# Altium PCB 2-quilter-output.PcbDoc (part 20 of 26) (continued)
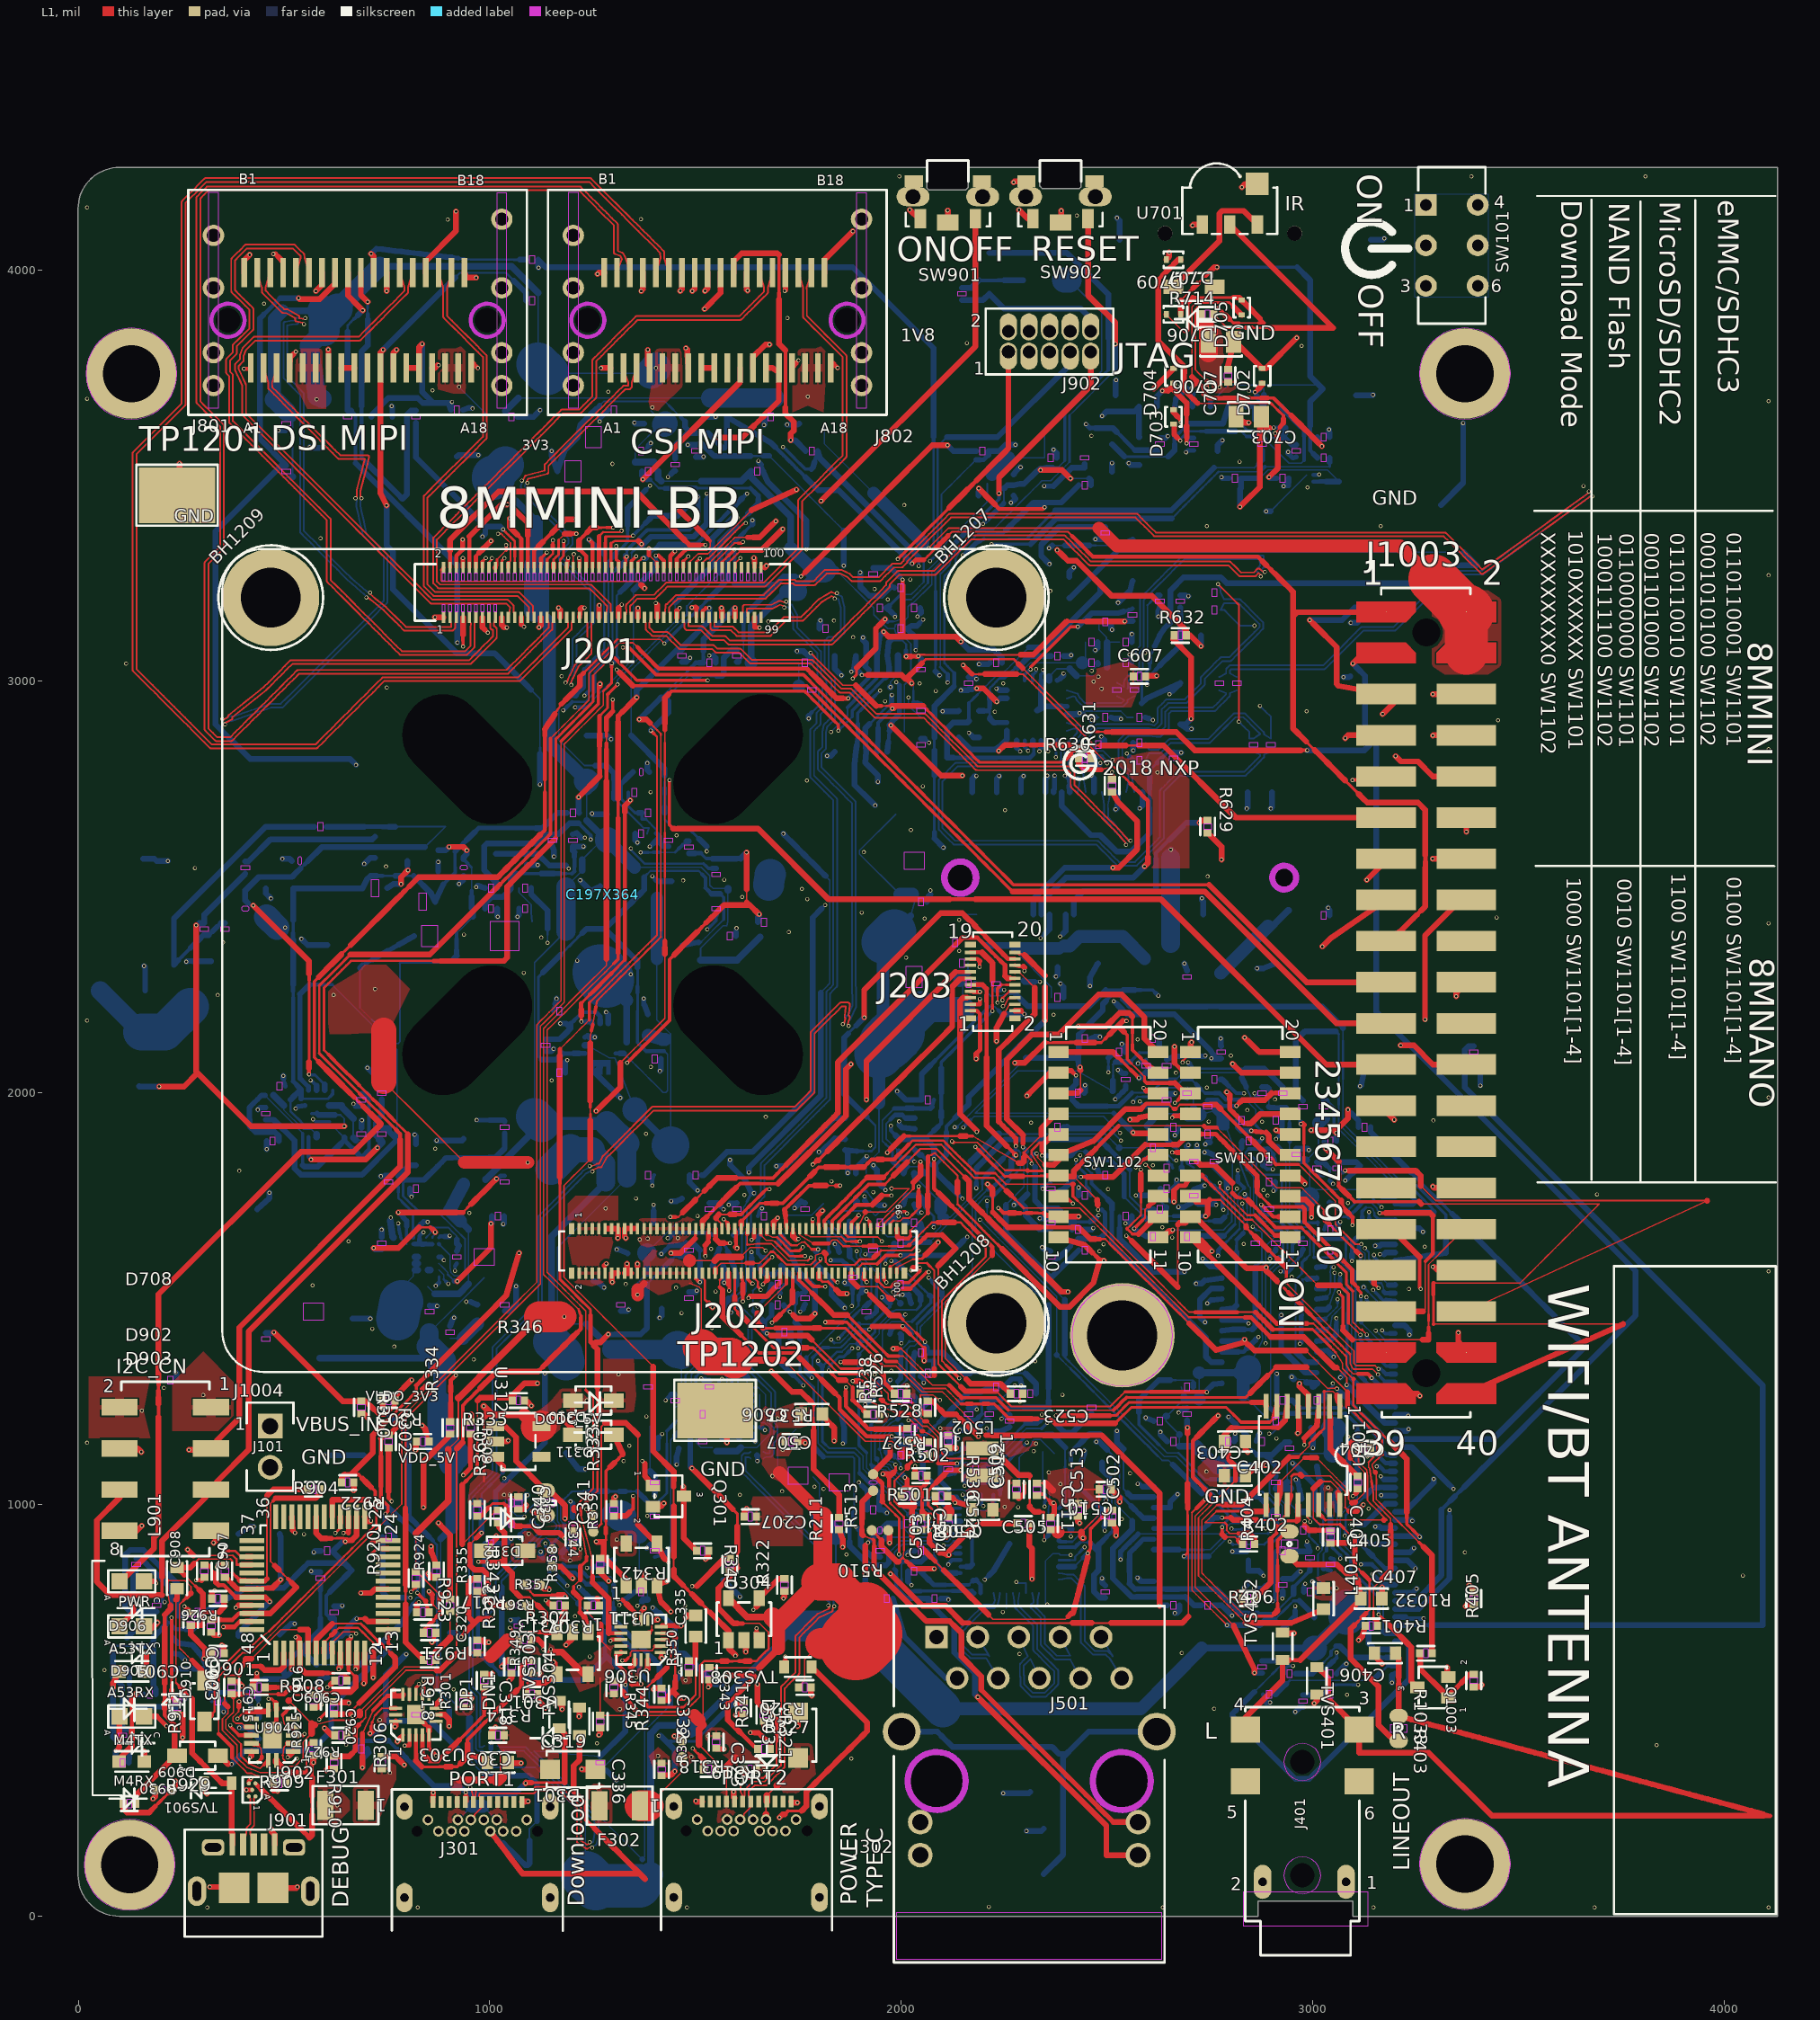
[diagram p0: L1 view]
## Nets (pads, with @x,y where several pads share a name; then routed paths per layer and width w, separated by ;. In a path a pad name is that pad's centre, name@x,y a point inside that pad or via, vN(x,y) a via of type N, cw(c..) or ccw(c..) an arc to the next point about the centre after c; other vN are vias at no path point) (continued)
  L3 w5.87: v1(1851.56,1774.44) 1860.68,1783.57
  L3 w7.92: 2783.75,1824.97 2796.41,1824.97
  L3 w10.99: 2581.98,1839.47 2596.32,1839.47 2610.67,1839.47 ; 2639.37,1839.47 2653.72,1839.47 ; 2675.62,1851.13 2684.34,1842.41 ; 2693.06,1833.69 2701.78,1824.97 2715.44,1824.97 2729.1,1824.97 2742.76,1824.97 2756.43,1824.97 2770.09,1824.97 2783.75,1824.97
  L3 w12.01: 2610.67,1839.47 2625.02,1839.47
  L3 w14.05: 2534.52,1806.36 2567.63,1839.47 2581.98,1839.47 ; 2625.02,1839.47 2639.37,1839.47 ; 2684.34,1842.41 2693.06,1833.69 ; 2900.11,1853.94 2941.9,1853.94 v1(2996.74,1908.77)
  L8 w7.92: 3057.72,1893.15 v1(3057.72,1902.56)
  L8 w8.94: v1(3086.09,1958.91) 3094.44,1950.56
  L8 w14.05: 3057.72,1893.15 3057.72,1883.74 R1016.2@3058.39,1883.07 ; 3094.44,1950.56 3111.81,1933.19 R1009.2@3111.81,1916.27
SAI5_RXD0: J202.67 R1010.2 R1015.2 | length 2182.8
  L1 w7.92: 1744.37,1644.58 v1(1750.71,1644.58)
  L1 w9.96: J202.67@1737.5,1658.35 J202.67@1737.49,1669.64
  L1 w14.05: J202.67@1737.5,1658.35 1737.5,1651.45 1744.37,1644.58
  L3 w3.5: 1756.49,1644.58 1765.58,1635.49 1774.67,1626.4 1783.76,1617.3 1792.85,1608.21 1792.85,1595.68 1792.85,1583.14 1792.85,1570.61 ; 1852.64,1501.15 1861.76,1501.15 1876.17,1501.15 1890.58,1501.15
  L3 w4.85: 1890.62,1501.16 1897.28,1494.49 1903.95,1487.82 ; 2178.84,1565.35 2193.91,1565.35 2208.97,1565.35 2224.04,1565.35 2239.11,1565.35 2254.17,1565.35 2269.24,1565.35 2284.31,1565.35
  L3 w5.87: 2101.31,1487.82 2112.38,1498.9 2123.46,1509.97 2134.53,1521.05 2145.61,1532.12 2156.69,1543.2 2167.76,1554.27 2178.84,1565.35 ; 2284.31,1565.35 2293.84,1555.82 2303.37,1546.3 2318.65,1546.3 2333.94,1546.3 2349.23,1546.3 2364.52,1546.3 2379.81,1546.3 2395.09,1546.3 2410.38,1546.3 2425.67,1546.3 2440.96,1546.3 2456.25,1546.3 2471.54,1546.3 2486.82,1546.3 2502.11,1546.3 2517.4,1546.3 2532.69,1546.3 2547.98,1546.3 2563.26,1546.3 2578.55,1546.3 2593.84,1546.3 2604.45,1535.69 2615.06,1525.08 2625.67,1514.47 2636.28,1503.86 2646.89,1493.25 2657.5,1482.64 2668.11,1472.03 2678.72,1461.42
  L3 w7.92: 1792.85,1570.61 1802.08,1561.38 ; 1820.53,1542.94 1829.75,1533.71 ; 1903.95,1487.82 1919.13,1487.82 1934.31,1487.82 1949.5,1487.82 1964.68,1487.82 1979.86,1487.82 1995.04,1487.82 2010.22,1487.82 2025.4,1487.82
  L3 w8.94: 2882.73,1403.97 2882.73,1414.06
  L3 w9.96: 1811.3,1552.16 1820.53,1542.94 ; 2882.73,1403.97 v1@2882.82,1393.34
  L3 w10.99: 1829.75,1533.71 1838.97,1524.49
  L3 w12.01: 1846.35,1507.44 1852.64,1501.15 ; 2025.4,1487.82 2040.58,1487.82
  L3 w13.03: 2882.73,1414.06 2882.73,1424.15
  L3 w14.05: v1(1750.71,1644.58) 1756.49,1644.58 ; 1802.08,1561.38 1811.3,1552.16 ; 1838.97,1524.49 1846.35,1507.44 ; 2040.58,1487.82 2055.76,1487.82 2070.94,1487.82 2086.13,1487.82 2101.31,1487.82 ; 2678.73,1461.41 2845.46,1461.41 2882.73,1424.15 ; v1@2882.82,1393.34 2890.4,1384.66 ; v1(2886.58,1390.9) 2886.58,1388.49 2890.4,1384.66 ; v1(2913.08,1316.71) 2906.55,1323.23 2890.4,1384.66
  L8 w3.5: 2864.63,1721.02 2868.97,1708.86 2873.32,1696.7 ; 2864.63,1721.03 2864.63,1734.54 2864.63,1748.05 2864.63,1761.57 2864.63,1775.08 2864.63,1788.59 2864.63,1802.11 ; 2877.53,1691.87 2881.94,1687.46 2894.69,1687.46 2907.51,1687.46 2920.32,1687.46 ; v1(2886.58,1390.9) 2886.58,1406.21 2886.58,1421.52 2886.58,1436.83 2886.58,1452.14 2886.58,1467.45 2886.58,1482.76 2886.58,1498.08 2886.58,1513.39 2886.58,1528.7 2886.58,1544.01 2886.58,1559.32 2896.02,1568.76 2896.11,1568.85 2896.11,1569.03 2904.16,1577.08 2912.21,1585.13 2918.96,1591.89 2927.1,1591.89
  L8 w3.83: 2837.31,1855.12 2837.31,1844.64 2844.95,1837.01 2852.58,1829.37 ; 2877.53,1691.87 2877.53,1692.49
  L8 w4.85: 2837.31,1855.12 2845.74,1863.55 ; 2873.32,1696.7 2877.53,1692.49 ; 2927.1,1591.89 2927.83,1591.89 2933.65,1597.72 2939.48,1603.55 2939.48,1616.5 2939.48,1629.45 2939.48,1642.4 ; 2939.48,1655.35 2939.48,1668.3
  L8 w5.87: 2852.58,1829.37 2852.58,1814.15 2858.6,1808.13 2864.63,1802.11 ; 2939.48,1642.4 2939.48,1655.35
  L8 w7.92: 2920.32,1687.46 2929.9,1677.88 2939.48,1668.3
  L8 w8.94: 2845.74,1863.55 2860.69,1863.55 2875.64,1863.55 ; 2904.04,1850.09 R1015.2@2906.57,1841.68
  L8 w10.99: 2875.64,1863.55 2890.58,1863.55 ; R1015.2@2906.57,1841.68 R1015.2@2909.09,1833.26
  L8 w14.05: 2890.58,1863.55 2904.04,1850.09 ; R1010.2@2912.75,1252.21 2913.08,1258.68 2913.08,1298.6 v1(2913.08,1316.71)
SAI5_RXD1: J202.69 R1011.2 R1018.1 | length 1886.3
  L1 w3.5: J202.69@1753.24,1669.64 1753.25,1655.09 1764.21,1648.17 1775.18,1641.25 ; 1824.87,1633.76 1833.54,1642.42 1844.09,1642.42 1851.7,1634.81 1859.32,1627.19
  L1 w3.83: 1775.18,1641.25 1787.02,1633.77 ; 1875.08,1627.19 1890.85,1627.19 1906.61,1627.19 ; 1938.14,1627.19 1953.91,1627.19 1969.67,1627.19 ; 2109.87,1337.85 2099.43,1348.29 2099.43,1362.98 2099.43,1377.67 2099.43,1392.37 2099.43,1407.06 2099.43,1421.75 2099.43,1436.44 2099.43,1451.14 2099.43,1465.83 2099.43,1480.52 2099.43,1495.21 2110.04,1505.82
  L1 w4.85: 1969.67,1627.19 1985.44,1627.19 2001.2,1627.19 2016.97,1627.19 2020.08,1630.31 2031.04,1641.26 ; 2042.04,1652.26 2053.04,1663.26 2064.04,1674.26 2075.04,1685.26 ; 2110.04,1505.82 2120.65,1516.44 2131.26,1527.05 2141.87,1537.66 2152.48,1548.27 2163.1,1558.88 2173.71,1569.49 2184.32,1580.1 2194.93,1590.71 2205.54,1601.33 2205.78,1601.57 2205.78,1612.3
  L1 w5.87: 1859.32,1627.19 1875.08,1627.19 ; 2031.04,1641.26 2042.04,1652.26 ; 2075.04,1685.26 2088.74,1685.26 ; 2129.85,1685.26 2143.55,1685.26 2153.93,1674.89 2164.3,1664.51 2174.67,1654.14 2185.04,1643.77 2195.41,1633.4 2205.78,1623.03 2205.78,1612.3
  L1 w7.92: 1906.61,1627.19 1922.38,1627.19 ; 2109.87,1337.85 2120.31,1327.41 2130.74,1316.97 v1(2141.19,1306.52)
  L1 w9.96: 1787.03,1633.76 1799.43,1633.76 1812.15,1633.76 1824.87,1633.76
  L1 w12.01: 2088.74,1685.26 2102.44,1685.26
  L1 w14.05: 1922.38,1627.19 1938.14,1627.19 ; 2102.44,1685.26 2116.15,1685.26 2129.85,1685.26
  L6 w3.83: 2193.36,1262.25 2204.24,1251.37 2215.13,1240.48 2226.02,1229.6 2236.9,1218.71 2245.2,1218.71 2253.5,1218.71
  L6 w4.85: 2185.46,1262.25 2193.36,1262.25
  L6 w5.87: 2449.69,1142.37 2460.77,1131.29 ; 2505.08,1086.98 2516.16,1075.9
  L6 w6.9: 2307.68,1164.53 2322.66,1164.53 2337.64,1164.53 2352.62,1164.53 2367.61,1164.53 2382.59,1164.53 2397.57,1164.53 2412.55,1164.53 2427.53,1164.53 2438.61,1153.45 2449.69,1142.37 ; 2460.77,1131.29 2471.84,1120.22 2482.92,1109.14 2494,1098.06 2505.08,1086.98
  L6 w7.92: v1(2141.19,1306.52) 2152.25,1295.46 2163.32,1284.39 2174.39,1273.32 2185.45,1262.26 ; 2516.16,1075.9 2527.23,1064.83
  L6 w9.96: 2253.5,1218.71 2264.33,1207.87 2275.17,1197.04 2286,1186.2 2296.84,1175.36 2307.68,1164.53 ; 2527.23,1064.83 2538.31,1053.75 2549.39,1042.67 2560.47,1031.59 2571.55,1020.51 2582.62,1009.44 2593.7,998.36 2604.78,987.28 2615.86,976.2 2626.94,965.12 2638.01,954.05
  L6 w14.05: 2638.01,954.05 2649.09,942.97 2660.17,931.89 2671.25,920.81 2682.33,909.73 v1(2799.15,909.73)
  L8 w3.83: 2806.61,902.28 2821.86,902.28 2837.11,902.28 2852.36,902.28 2867.61,902.28 2882.86,902.28
  L8 w5.87: 2882.86,902.28 2892.92,912.34 2902.97,922.39 2913.03,932.45 2913.03,942.77
  L8 w7.92: v1(2799.15,909.73) 2806.61,902.28
  L8 w12.01: 2913.03,942.77 R1011.2@2913.03,953.08
  L8 w14.05: R1011.2@2910.92,955.22 R1011.2@2913.03,953.08
SAI5_RXD2: J202.71 R1012.2 R1014.2 | length 3296.5
  L1 w3.5: 1768.98,1655.94 1777.68,1650.96 1779.37,1650 1791.32,1650 1803.28,1650 1816.15,1650 1829.02,1650 1841.89,1650 1854.76,1650
  L1 w4.85: 1854.76,1650 1860.39,1644.38 ; 1866.01,1638.76 1877.34,1638.76
  L1 w5.87: 1768.98,1655.94 J202.71@1768.98,1669.64 ; 1860.39,1644.38 1866.01,1638.76
  L1 w6.9: 1877.34,1638.76 1888.67,1638.76
  L1 w7.92: 1888.67,1638.76 v1(1900.01,1638.75)
  L3 w3.5: 3050.41,1308.64 3061.4,1297.66 3072.38,1286.67 3083.37,1275.69 ; 3138.29,1220.76 3149.28,1209.78 3160.26,1198.79 3171.25,1187.81 3182.23,1176.83 3193.22,1165.84 3204.2,1154.86 3215.19,1143.87 3226.17,1132.89 3237.16,1121.9 3248.14,1110.92 3259.13,1099.93
  L3 w3.83: 1995.74,1623.66 2005.2,1614.19 2014.67,1604.72 2024.13,1595.26 2039.48,1595.26 2054.82,1595.26 2070.16,1595.26 2085.5,1595.26 2100.85,1595.26 2116.19,1595.26 2131.53,1595.26 2146.87,1595.26 2162.21,1595.26 2177.56,1595.26 2192.9,1595.26 2208.24,1595.26 2223.58,1595.26 2238.93,1595.26 2254.27,1595.26 2269.61,1595.26 2284.95,1595.26 2300.29,1595.26 2308.04,1587.51 ; 2605.53,1579.77 2616.27,1569.03 2627,1558.29 2637.74,1547.56 2648.47,1536.82 2659.21,1526.09 2669.95,1515.35 2685.12,1515.35 ; 2912.75,1515.35 2927.92,1515.35 2943.1,1515.35 ; 3130.59,830.54 3141.34,841.29 ; 3216.59,916.54 3227.34,927.29 3238.09,938.04 ; 3248.84,948.79 3259.59,959.54
  L3 w4.85: 2897.57,1515.35 2912.75,1515.35 ; 3141.34,841.29 3152.09,852.04 ; 3238.09,938.04 3248.84,948.79
  L3 w5.87: 2308.04,1587.51 2315.78,1579.77 2331.03,1579.77 2346.28,1579.77 2361.53,1579.77 2376.78,1579.77 2392.03,1579.77 2407.28,1579.77 2422.53,1579.77 2437.78,1579.77 2453.03,1579.77 2468.28,1579.77 2483.53,1579.77 2498.78,1579.77 2514.03,1579.77 2529.28,1579.77 2544.53,1579.77 2559.78,1579.77 2575.03,1579.77 2590.28,1579.77 2605.53,1579.77
  L3 w6.9: 1955.42,1623.66 1968.86,1623.66 1982.3,1623.66 1995.74,1623.66
  L3 w7.92: v1(2982.29,806.8) 2992.67,796.42 ; 3051.38,1438.36 3067.03,1438.36 3082.68,1438.36 3098.33,1438.36 3113.98,1438.36 3129.62,1438.36 3145.27,1438.36 3160.92,1438.36
  L3 w8.94: v1(1900.01,1638.75) 1907.56,1631.2 ; 1941.99,1623.66 1955.42,1623.66 ; 2745.82,1515.35 2761,1515.35 2776.17,1515.35 2791.35,1515.35 2806.52,1515.35 2821.7,1515.35 2836.87,1515.35 2852.05,1515.35 2867.22,1515.35 2882.4,1515.35 2897.57,1515.35 ; 2943.1,1515.35 2954.1,1504.35 2965.09,1493.35 2976.09,1482.35 2987.09,1471.35 2998.09,1460.35 3009.09,1449.36 3020.09,1438.36 3035.74,1438.36 3051.38,1438.36 ; 3118.73,1352.02 3129.15,1362.44 3139.57,1372.86 3149.98,1383.28 3160.4,1393.7 3170.82,1404.12 3181.24,1414.54 ; 3259.59,959.54 3270.34,970.3 3281.09,981.05 3281.09,994.89 ; 3281.09,1050.27 3281.09,1064.12 3281.09,1077.96
  L3 w9.96: 2730.65,1515.35 2745.82,1515.35 ; 3083.37,1275.69 3094.35,1264.7 ; 3181.24,1414.54 3191.66,1424.96
  L3 w10.99: 2685.12,1515.35 2700.3,1515.35 2715.47,1515.35 2730.65,1515.35 ; 2992.67,796.42 3003.05,786.04 ; 3039.43,1319.63 3050.41,1308.64
  L3 w12.01: 1907.56,1631.2 1915.11,1623.66 1928.55,1623.66 ; 3119.83,819.79 3130.59,830.54 ; 3127.31,1231.75 3138.29,1220.76 ; 3160.92,1438.36 3173.64,1438.36
  L3 w13.03: 3173.64,1438.36 3186.37,1438.36 ; 3205.84,905.79 3216.59,916.54
  L3 w14.05: 1928.55,1623.66 1941.99,1623.66 ; 3003.05,786.04 3013.43,775.66 3023.8,765.28 3034.18,754.91 3044.57,754.9 3044.94,755.27 3055.32,755.27 ; 3039.43,1319.63 3028.45,1330.61 3017.46,1341.6 3108.31,1341.61 3118.73,1352.02 ; 3055.33,755.28 3066.08,766.03 3076.83,776.78 3087.58,787.53 3098.33,798.28 3109.08,809.04 3119.83,819.79 ; 3094.35,1264.7 3105.34,1253.72 3116.32,1242.73 3127.31,1231.75 ; 3152.09,852.04 3162.84,862.79 3173.59,873.54 3184.34,884.29 3195.09,895.04 3205.84,905.79 ; 3186.37,1438.36 3199.09,1438.36 3202.07,1435.38 ; 3191.66,1424.96 3202.08,1435.37 3202.08,1555.09 v1(3273.28,1626.29) ; 3259.13,1099.93 3270.11,1088.95 3281.09,1077.96 ; 3281.09,994.89 3281.09,1008.74 3281.09,1022.58 3281.09,1036.43 3281.09,1050.27
  L6 w14.05: v1(3079.67,1786.75) 3166.91,1786.75 3285.06,1668.6 3285.06,1638.07 v1(3273.28,1626.29)
  L8 w9.96: R1012.2@2979.11,795.49 2979.11,803.62 v1(2982.29,806.8)
  L8 w12.01: 3088.6,1795.68 3097.53,1804.61
  L8 w13.03: v1(3079.67,1786.75) 3088.6,1795.68
  L8 w14.05: R1012.2@2979.1,787.36 R1012.2@2979.11,795.49 ; R1014.2@3060.22,1831.42 3106.44,1831.42 3115.38,1822.47 3106.45,1813.54 3097.53,1804.61
SAI5_RXD3: J202.73 R1013.2 R1017.1 | length 3163.2
  L1 w7.92: v1@1784.74,1691.7 v1(1785.61,1692.56)
  L1 w8.94: J202.73@1784.73,1669.64 1784.74,1680.67 v1@1784.74,1691.7
  L3 w3.5: 1982.12,1651.61 1991.67,1642.06 2001.22,1632.51 2010.77,1622.96 2020.32,1613.41 2029.87,1603.86 2045.53,1603.86 2061.2,1603.86 2076.86,1603.86 2092.52,1603.86 2108.19,1603.86 2123.85,1603.86 2139.52,1603.86 2155.18,1603.86 2170.84,1603.86 2186.51,1603.86 2202.17,1603.86 2217.83,1603.86 2233.5,1603.86 2249.16,1603.86 2264.82,1603.86 2280.49,1603.86 2296.15,1603.86 2311.82,1603.86 2327.48,1603.86 2343.14,1603.86 2358.81,1603.86 2374.47,1603.86 2390.13,1603.86 2405.8,1603.86 2421.46,1603.86 2437.13,1603.86 2452.79,1603.86 2468.45,1603.86 2484.12,1603.86 2499.78,1603.86 2515.44,1603.86 2531.11,1603.86 2546.77,1603.86 2562.44,1603.86 2578.1,1603.86 2593.76,1603.86 2609.43,1603.86 2625.09,1603.86 2640.75,1603.86 2656.42,1603.86 2672.08,1603.86 2687.74,1603.86 2703.41,1603.86
  L3 w5.87: 1888.78,1651.61 1904.34,1651.61 ; 1935.45,1651.61 1951.01,1651.61 1966.56,1651.61 1982.12,1651.61
  L3 w6.9: 1904.34,1651.61 1919.9,1651.61
  L3 w8.94: 2904.64,1552.44 2919.62,1552.44 2934.6,1552.44 v1(2949.57,1552.44)
  L3 w12.01: 2703.42,1603.86 2713.7,1593.58 2723.98,1583.3 2734.27,1573.01 2744.55,1562.73
  L3 w13.03: 2744.55,1562.73 2751.32,1562.73
  L3 w14.05: v1(1785.61,1692.56) 1826.56,1651.61 1842.12,1651.61 1857.67,1651.61 1873.23,1651.61 1888.78,1651.61 ; 1919.9,1651.61 1935.45,1651.61 ; 2751.32,1562.73 2761.61,1552.44 2769.82,1552.44 2784.8,1552.44 2799.78,1552.44 2814.76,1552.44 2829.74,1552.44 2844.72,1552.44 2859.7,1552.44 2874.68,1552.44 2889.66,1552.44 2904.64,1552.44
  L6 w3.5: 3022.35,1036.66 3033.08,1025.93 3043.73,1015.28 3054.38,1004.63 3065.03,993.98 3075.68,983.33 3086.33,972.68 3096.99,962.03 3107.64,951.37 3107.64,944.71 3106.99,934.5 3106.34,924.3 3106.34,911.68 3106.34,899.06 3106.34,886.44 ; 3049.92,770.66 3060.09,780.83 3070.27,791.01 3080.44,801.18 3090.62,811.36 3100.79,821.53 3110.97,831.71 3121.14,841.88 3131.32,852.06
  L6 w3.83: 3044.81,1543.03 3054.61,1533.22
  L6 w4.85: 3015.39,1557.85 3015.39,1572.43 3025.2,1562.63 3035.01,1552.83 3044.81,1543.03
  L6 w7.92: 2949.57,1544.31 v1(2949.57,1552.44) ; 3034.53,770.66 3049.92,770.66 ; 3131.32,852.06 3131.32,861.47
  L6 w9.96: 3122.99,869.79 3131.32,861.47
  L6 w10.99: 2828.23,1446.03 2837.72,1455.53 2851.2,1455.53 2861.75,1444.98 2872.3,1434.43 2882.66,1424.07
  L6 w12.01: 3071.07,1530.25 3081.34,1519.99
  L6 w13.03: 2818.73,1436.53 2828.23,1446.03 ; 3054.61,1533.22 3062.84,1531.74 3071.07,1530.25 ; 3101.88,1499.45 3112.14,1489.19 ; 3114.67,878.12 3122.99,869.79
  L6 w14.05: 2818.73,1436.53 2818.73,1342.75 3022,1139.47 3022,1037.01 3022.35,1036.66 ; 2882.66,1424.07 2969.07,1424.07 3015.38,1470.38 ; v1(2926.83,770.66) 2942.22,770.66 2957.61,770.66 2972.99,770.66 2988.38,770.66 3003.76,770.66 3019.15,770.66 3034.53,770.66 ; 2949.57,1544.31 2949.57,1536.18 3015.38,1470.38 ; 3015.39,1557.85 3015.39,1543.28 3015.39,1528.7 3015.39,1514.12 3015.39,1499.54 3015.39,1484.97 3015.39,1470.39 ; v1(3067.34,1686.55) 3078.25,1675.64 3078.25,1570.96 3138.86,1570.94 3176.84,1532.96 3176.84,1512.8 3132.69,1468.65 3122.41,1478.92 3112.14,1489.19 ; 3081.34,1519.99 3091.61,1509.72 3101.88,1499.45 ; 3106.34,886.44 3114.67,878.12
  L8 w7.92: v1(2926.83,770.66) 2926.83,777.52 ; 3062.83,1682.04 v1(3067.34,1686.55)
  L8 w14.05: 2926.83,777.52 2927.52,778.2 R1013.2@2927.51,789.21 ; R1017.1@3058.39,1667.25 3062.83,1682.03
SAI5_RXFS: J202.70 J1001.33 | length 1752.4
  L1 w3.5: 2005.41,1360.15 2015.51,1350.06 2025.61,1339.96 2035.7,1329.86 2045.8,1319.76 2055.9,1309.66 2066,1299.56 2076.1,1289.47 2089.77,1289.47 2103.45,1289.47 2117.13,1289.47 ; 2260.71,1228.73 2275.77,1228.73 2290.83,1228.73 2305.89,1228.73 2320.94,1228.73 2336,1228.73 2351.06,1228.73 2366.12,1228.73 2381.18,1228.73 2396.23,1228.73 2411.29,1228.73 2426.35,1228.73 2441.41,1228.73 2456.47,1228.73 2471.52,1228.73 2486.58,1228.73 2501.64,1228.73 2516.7,1228.73 ; 2985.51,1333.08 2995.64,1322.95 3005.77,1312.82 3015.9,1302.68 3026.04,1292.55 3036.17,1282.42 3047.14,1282.42 v1@3058.11,1282.42
  L1 w4.85: 1993.3,1360.15 2005.41,1360.15
  L1 w6.9: 2547.82,1259.85 2563.1,1259.85 2578.38,1259.85 2593.66,1259.85 2608.94,1259.85 2624.22,1259.85 2639.5,1259.85 2654.78,1259.85 2670.06,1259.85 2685.34,1259.85 2700.61,1259.85 2715.89,1259.85 2731.17,1259.85 2746.45,1259.85 2761.73,1259.85 2777.01,1259.85 2792.29,1259.85 2807.57,1259.85 2822.85,1259.85 2838.12,1259.85 2848.59,1270.31 ; 2900.9,1322.62 2911.36,1333.08
  L1 w7.92: 1751.63,1545.5 1762.27,1534.86 1772.92,1524.21 1783.56,1513.57 ; 1868.88,1460.35 1880.01,1449.21 1891.15,1438.08 1902.28,1426.95 1913.41,1415.82 1924.54,1404.68 1935.68,1393.55 1946.81,1382.42 1957.94,1371.29 1969.07,1360.15 1981.18,1360.15 1993.3,1360.15 ; 2147.82,1258.77 2161.63,1258.77 2175.44,1258.77 2189.24,1258.77 2203.05,1258.77 2216.85,1258.77 2230.66,1258.77 2240.67,1248.76 2250.69,1238.75 2260.7,1228.73 ; 2516.7,1228.73 2516.94,1228.97 ; 2890.43,1312.16 2900.9,1322.62
  L1 w8.94: 2516.95,1228.97 2527.24,1239.26 2537.53,1249.56 2547.82,1259.85 ; v1@3058.11,1282.42 v1(3059.5,1281.03)
  L1 w10.99: 1751.63,1545.5 1752.44,1553.72 J202.70@1753.24,1561.94 ; 2117.13,1289.47 2127.36,1279.24 2137.59,1269 2147.82,1258.77
  L1 w12.01: 1783.56,1513.57 1794.2,1502.92
  L1 w14.05: 1794.2,1502.92 1804.85,1492.28 1815.49,1481.64 1826.14,1470.99 1836.78,1460.35 1868.88,1460.35 ; 2848.59,1270.31 2859.05,1280.77 2869.51,1291.24 2879.97,1301.7 2890.43,1312.16 ; 2911.36,1333.08 2985.51,1333.08
  L8 w7.92: v1(3059.5,1281.03) 3066.95,1273.58
  L8 w8.94: 3084.95,1255.58 3095.5,1245.03 3106.05,1234.48 3116.59,1223.93 3127.14,1213.39 3137.69,1202.84 3148.24,1192.29 3158.79,1181.74 3169.33,1171.2
  L8 w9.96: 3169.33,1171.2 3169.33,1157.58 3169.33,1143.97 3169.33,1130.35 3180.12,1119.57 J1001.33@3190.42,1119.57
  L8 w14.05: 3066.95,1273.58 3074.4,1266.12 3084.95,1255.58 ; J1001.33@3190.42,1119.57 J1001.33@3200.73,1119.58
SD2_CLK: J201.76 R704.1 | length 1737.4
  L1 w6.9: 1470.49,3291.34 1476.54,3297.38 v1(1482.58,3303.43)
  L1 w9.96: J201.76@1470.48,3276.42 1470.49,3291.34
  L6 w3.5: 1515.92,3359.05 1531.34,3359.05 1546.76,3359.05 1562.18,3359.05 1577.6,3359.05 1593.02,3359.05 1608.44,3359.05 1623.86,3359.05 1639.28,3359.05 1654.7,3359.05 1670.12,3359.05 1685.54,3359.05 1700.96,3359.05 1716.38,3359.05 1731.8,3359.05 1747.22,3359.05 1762.64,3359.05 1778.06,3359.05 1793.48,3359.05 1808.9,3359.05 1824.32,3359.05 1839.74,3359.05 1855.16,3359.05 1870.58,3359.05 1886,3359.05 1901.42,3359.05 1916.85,3359.05 1932.27,3359.05 1947.69,3359.05 1963.11,3359.05 1978.53,3359.05 1993.95,3359.05 2009.37,3359.05 2024.79,3359.05 2040.21,3359.05 2055.63,3359.05 2071.05,3359.05 2086.47,3359.05 2101.89,3359.05 2117.31,3359.05 2132.73,3359.05 2148.15,3359.05 2163.57,3359.05 2178.99,3359.05 2194.41,3359.05
  L6 w6.9: 1482.58,3325.72 1493.69,3336.83 1504.8,3347.94 1515.92,3359.05
  L6 w7.92: v1(1482.58,3303.43) 1482.58,3314.57
  L6 w9.96: 1482.58,3314.57 1482.58,3325.72
  L6 w13.03: 2211.49,3341.98 v1(2220.03,3333.44)
  L6 w14.05: 2194.41,3359.05 2202.95,3350.52 2211.49,3341.98
  L8 w3.5: 2772.14,3509.7 2786.4,3509.7 2800.65,3509.7 2814.91,3509.7 2829.17,3509.7 2843.43,3509.7 2857.69,3509.7 2871.94,3509.7 ; 2883.95,3521.7 2898.29,3521.7 2912.64,3521.7 2926.99,3521.7 2941.34,3521.7 2955.69,3521.7 2970.04,3521.7 2984.39,3521.7 2998.74,3521.7 3013.09,3521.7 3027.44,3521.7 3041.79,3521.7
  L8 w4.85: 2658.26,3395.82 2668.61,3406.17 2678.96,3416.53 2689.32,3426.88 2699.67,3437.23 2710.02,3447.59 2720.37,3457.94 2730.73,3468.29 2741.08,3478.64 2751.43,3489 2761.79,3499.35 2772.14,3509.7
  L8 w5.87: 3041.79,3521.71 3041.79,3532.47
  L8 w6.9: 2249.12,3333.44 2262.3,3333.44 2275.48,3333.44 2288.66,3333.44 2301.84,3333.44 2315.02,3333.44
  L8 w7.92: v1(2220.03,3333.44) 2227.99,3333.44 2235.94,3333.44 2249.12,3333.44
  L8 w9.96: 2871.94,3509.7 2877.94,3515.7 2883.95,3521.7
  L8 w14.05: 2315.02,3333.44 2315.96,3334.38 2377.41,3395.82 2658.26,3395.82 ; 3041.79,3532.47 R704.1@3041.8,3543.22
SD2_CMD: J201.78 R702.1 | length 1600.9
  L1 w3.5: 1530.71,3310.04 1541.26,3320.58 1551.8,3331.13 1562.35,3341.67 1572.89,3352.22 1583.44,3362.76 1593.98,3373.31 1604.53,3383.85 1615.08,3394.4 1625.62,3404.94 1636.17,3415.49
  L1 w3.83: J201.78@1486.24,3289.86 1496.33,3299.95 1506.42,3310.04 1518.57,3310.04 1530.71,3310.04
  L1 w6.9: J201.78@1486.23,3276.42 J201.78@1486.24,3289.86
  L1 w14.05: 1636.17,3415.49 v1(1745.99,3465.99)
  L6 w6.9: 2865.77,3409.89 2876.51,3420.63 2887.26,3431.37
  L6 w7.92: v1(1745.99,3465.99) 1761.27,3465.99 ; 2143.21,3465.99 2158.49,3465.99 2167.84,3456.64 2177.19,3447.29 2186.54,3437.94 2195.89,3428.59 2205.24,3419.24 2214.59,3409.89 2230.09,3409.89 2245.6,3409.89 2261.1,3409.89 2276.61,3409.89 2292.11,3409.89 2307.62,3409.89 2323.12,3409.89 2338.62,3409.89 2354.13,3409.89 2369.63,3409.89 2385.14,3409.89 2400.64,3409.89 2416.15,3409.89 2431.65,3409.89 2447.15,3409.89 2462.66,3409.89 2478.16,3409.89 2493.67,3409.89 2509.17,3409.89 2524.68,3409.89 2540.18,3409.89 2555.68,3409.89
  L6 w8.94: 1761.27,3465.99 1776.55,3465.99 1791.82,3465.99 1807.1,3465.99 1822.38,3465.99 1837.66,3465.99 1852.93,3465.99 1868.21,3465.99 1883.49,3465.99 1898.77,3465.99 1914.04,3465.99 1929.32,3465.99 1944.6,3465.99 1959.88,3465.99 1975.16,3465.99 1990.43,3465.99 2005.71,3465.99 2020.99,3465.99 2036.27,3465.99 2051.54,3465.99 2066.82,3465.99 2082.1,3465.99 2097.38,3465.99 2112.65,3465.99 2127.93,3465.99 2143.21,3465.99 ; 2819.26,3409.89 2834.76,3409.89
  L6 w9.96: 2803.75,3409.89 2819.26,3409.89
  L6 w14.05: 2555.68,3409.89 2571.19,3409.89 2586.69,3409.89 2602.2,3409.89 2617.7,3409.89 2633.21,3409.89 2648.71,3409.89 2664.21,3409.89 2679.72,3409.89 2695.22,3409.89 2710.73,3409.89 2726.23,3409.89 2741.74,3409.89 2757.24,3409.89 2772.74,3409.89 2788.25,3409.89 2803.75,3409.89 ; 2834.76,3409.89 2850.27,3409.89 2865.77,3409.89 ; 2887.26,3431.37 2898,3442.12 2908.75,3452.86 2919.49,3463.61 v1(2930.24,3474.35)
  L8 w12.01: v1@2931.42,3475.54 2942.26,3475.54 R702.1@2942.26,3484.48
  L8 w14.05: v1(2930.24,3474.35) v1@2931.42,3475.54 ; R702.1@2942.26,3484.48 R702.1@2942.27,3493.42
SD2_DATA0: J201.84 R705.1 | length 1671.3
  L1 w3.5: J201.84@1533.48,3287.04 1543.97,3297.52 1554.45,3308 1564.94,3318.49 1575.42,3328.97 1585.9,3339.46 1596.39,3349.94
  L1 w3.83: 1596.39,3349.94 1611.36,3349.94 1626.33,3349.94
  L1 w7.92: J201.84@1533.47,3276.42 J201.84@1533.48,3287.04
  L1 w12.01: 1626.33,3349.94 1641.3,3349.94
  L1 w14.05: 1641.3,3349.94 1656.26,3349.94 1683.79,3377.47 v1(1695.72,3389.39)
  L3 w5.87: 2243.3,3444.62 2254.35,3455.66
  L3 w6.9: 2188.08,3389.39 2199.13,3400.44
  L3 w7.92: v1(1695.72,3389.39) 1711.1,3389.39 ; 2172.7,3389.39 2188.08,3389.39 ; 2232.26,3433.57 2243.3,3444.62
  L3 w10.99: 1711.1,3389.39 1726.49,3389.39 1741.88,3389.39 1757.26,3389.39 1772.65,3389.39 1788.04,3389.39 1803.42,3389.39 1818.81,3389.39 1834.2,3389.39 1849.58,3389.39 1864.97,3389.39 1880.35,3389.39 1895.74,3389.39 1911.13,3389.39 1926.51,3389.39 1941.9,3389.39 1957.29,3389.39 1972.67,3389.39 1988.06,3389.39 2003.45,3389.39 2018.83,3389.39 2034.22,3389.39 2049.6,3389.39 2064.99,3389.39 2080.38,3389.39 2095.76,3389.39 2111.15,3389.39 2126.54,3389.39 2141.92,3389.39 2157.31,3389.39 2172.7,3389.39
  L3 w14.05: 2199.13,3400.44 2210.17,3411.48 2221.21,3422.53 2232.26,3433.57 ; 2254.35,3455.66 2883.83,3455.66 v1(3040.07,3611.89)
  L8 w14.05: v1(3040.07,3611.89) 3040.07,3606.07 3041.79,3604.36 R705.1@3041.8,3593.03
SD2_DATA1: J201.82 R707.1 | length 1327
  L1 w3.83: 1532.19,3298.63 1542.9,3309.34 ; 1585.74,3352.17 1596.45,3362.88
  L1 w4.85: J201.82@1517.72,3288.35 1528,3298.63 1532.19,3298.63 ; 1542.9,3309.34 1553.61,3320.05 1564.32,3330.76 1575.03,3341.47 1585.74,3352.17 ; 1596.45,3362.88 1607.15,3373.59 1617.86,3384.3 v1(1622.26,3384.3)
  L1 w5.87: J201.82@1517.72,3276.42 J201.82@1517.72,3288.35
  L3 w8.94: 2389.58,3489.97 2400.55,3500.94 2411.51,3511.9 2422.48,3522.87 2433.44,3533.83
  L3 w9.96: 2216.94,3489.97 2232.63,3489.97 2248.33,3489.97 2264.02,3489.97 2279.72,3489.97 2295.41,3489.97 2311.1,3489.97 2326.8,3489.97 2342.49,3489.97 2358.18,3489.97 ; 2373.88,3489.97 2389.57,3489.97 ; 2433.44,3533.83 2444.41,3544.8 2460.16,3544.8 ; 2507.42,3544.8 2523.17,3544.8 ; 2538.92,3544.8 2554.68,3544.8 2570.43,3544.8
  L3 w10.99: v1(1622.26,3384.3) 1622.26,3397.48 1632.54,3407.76 1642.81,3418.04 1653.09,3428.31 1663.36,3438.59 1673.64,3448.86 1683.91,3459.14 1694.19,3469.41 1704.47,3479.69 1714.74,3489.97 1730.44,3489.97 1746.13,3489.97 1761.82,3489.97 1777.52,3489.97 1793.21,3489.97 1808.9,3489.97 1824.6,3489.97 1840.29,3489.97 1855.99,3489.97 1871.68,3489.97 1887.37,3489.97 1903.07,3489.97 1918.76,3489.97 1934.45,3489.97 1950.15,3489.97 1965.84,3489.97 1981.54,3489.97 1997.23,3489.97 2012.92,3489.97 2028.62,3489.97 2044.31,3489.97 2060,3489.97 2075.7,3489.97 2091.39,3489.97 2107.08,3489.97 2122.78,3489.97 2138.47,3489.97 2154.17,3489.97 2169.86,3489.97 2185.55,3489.97 2201.25,3489.97 2216.94,3489.97 ; 2358.18,3489.97 2373.88,3489.97 ; 2491.67,3544.8 2507.42,3544.8
  L3 w14.05: 2460.16,3544.8 2475.91,3544.8 2491.67,3544.8 ; 2523.17,3544.8 2538.92,3544.8 ; 2570.43,3544.8 2586.18,3544.8 2601.94,3544.8 2617.69,3544.8 2633.44,3544.8 2649.2,3544.8 2664.95,3544.8 2680.7,3544.8 v1(2692.52,3556.61)
  L8 w10.99: v1(2692.52,3556.61) 2697.58,3561.67 R707.1@2711.86,3561.67
SD2_DATA2: J201.72 R708.1 | length 1656.6
  L1 w9.96: J201.72@1438.98,3276.42 1438.98,3290.37 1438.98,3304.33
  L1 w10.99: 1438.98,3304.33 1444.66,3310.01 v1(1450.35,3315.7)
  L6 w3.5: 1524.96,3349.43 1540.46,3349.43 1555.97,3349.43 1571.47,3349.43 1586.98,3349.43 1602.48,3349.43 1617.99,3349.43 1633.49,3349.43 1649,3349.43 1664.5,3349.43 1680,3349.43 1695.51,3349.43 1711.01,3349.43 1726.52,3349.43 1742.02,3349.43 1757.53,3349.43 1773.03,3349.43 1788.54,3349.43 1804.04,3349.43 1819.55,3349.43 1835.05,3349.43 1850.56,3349.43 1866.06,3349.43 1881.56,3349.43 1897.07,3349.43 1912.57,3349.43 1928.08,3349.43 1943.58,3349.43 1959.09,3349.43
  L6 w4.85: 1482.88,3287.05 1489.27,3293.45 1497.6,3301.77
  L6 w5.87: 1506.72,3331.19 1515.84,3340.31 1524.96,3349.43 ; 1959.09,3349.43 1969.82,3338.7
  L6 w7.92: 1991.28,3317.23 2002.01,3306.5
  L6 w8.94: 1470.74,3295.32 1479.01,3287.05 ; 1497.6,3301.77 1497.6,3311.92 1497.6,3322.07 1506.72,3331.19 ; 2002.01,3306.5 2016.85,3306.5 ; 2061.36,3306.5 2076.2,3306.5
  L6 w9.96: 1460.55,3305.51 1470.74,3295.32
  L6 w12.01: 2076.2,3306.5 2091.04,3306.5
  L6 w14.05: v1@1450.35,3315.7 1460.55,3305.51 ; 1479.01,3287.05 1482.88,3287.05 ; 1969.82,3338.7 1980.55,3327.97 1991.28,3317.23 ; 2016.85,3306.5 2031.69,3306.5 2046.53,3306.5 2061.36,3306.5 ; 2091.04,3306.5 2105.88,3306.5 2120.71,3306.5 2135.55,3306.5 v1(2150.39,3306.5)
  L8 w3.5: 2760.41,3518.81 2774.45,3518.81 2788.5,3518.81 2802.54,3518.81 2816.59,3518.81 2830.63,3518.81 2844.67,3518.81 2858.72,3518.81
  L8 w4.85: 2858.72,3518.81 2868.24,3528.33
  L8 w5.87: 2202.23,3345.72 2216.92,3345.72 2231.6,3345.72 2246.29,3345.72 2260.97,3345.72
  L8 w6.9: 2260.97,3345.72 2275.65,3345.72 2290.34,3345.72 2305.02,3345.72 2314.94,3355.64 2324.86,3365.56 2334.78,3375.48 2344.7,3385.4 2354.62,3395.32 2364.54,3405.24 2374.46,3415.16
  L8 w7.92: v1(2150.39,3306.5) v1@2152.6,3306.5
  L8 w8.94: 2192.19,3340.89 2202.23,3345.72
  L8 w10.99: v1@2152.6,3306.5 2162.45,3316.35 2172.3,3326.2 2182.15,3336.05 2192.19,3340.89 ; 2868.24,3528.33 2877.75,3537.85
  L8 w14.05: 2374.46,3415.16 2656.75,3415.16 2708.58,3466.99 2760.41,3518.81 ; 2877.75,3537.85 R708.1@2877.75,3561.67